# Altium PCB roach2.PcbDoc (part 26 of 39) (continued)
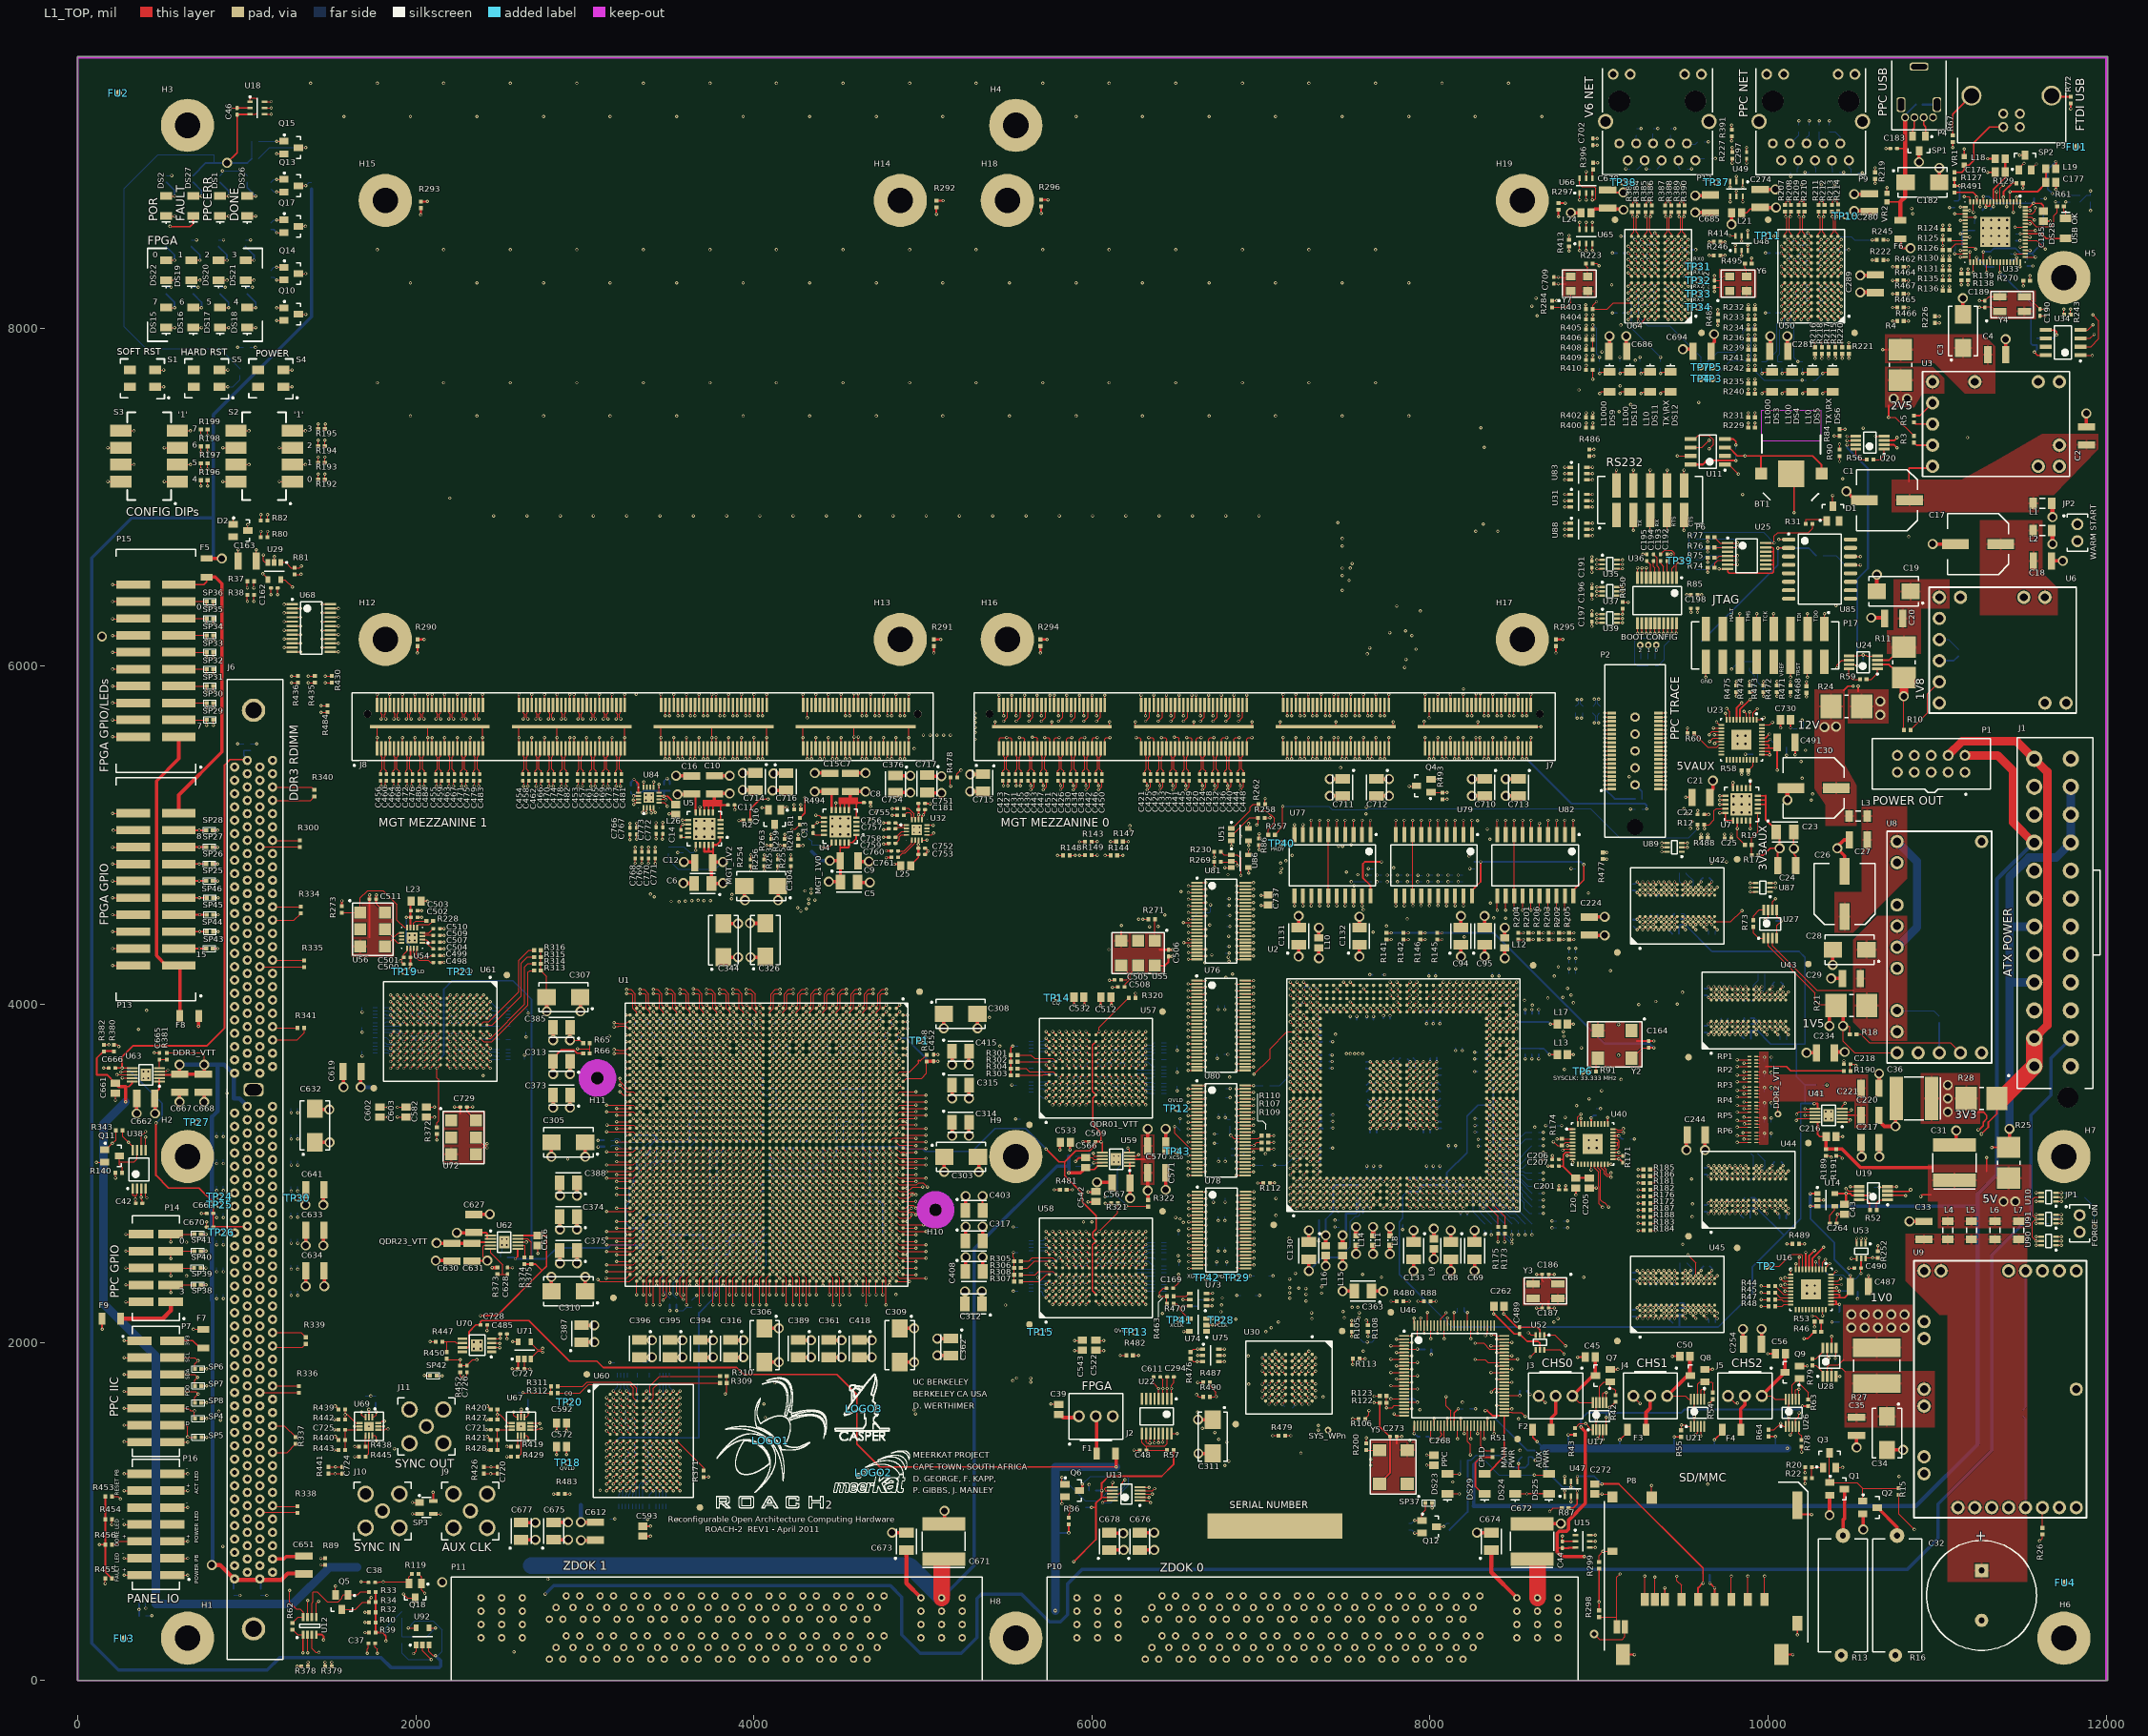
[diagram p0: L1_TOP view]
## Nets (pads, with @x,y where several pads share a name; then routed paths per layer and width w, separated by ;. In a path a pad name is that pad's centre, name@x,y a point inside that pad or via, vN(x,y) a via of type N, cw(c..) or ccw(c..) an arc to the next point about the centre after c; other vN are vias at no path point) (continued)
  L1_TOP w10: R491.1@11102.99,8803.31 11212.68,8803.31 11234.72,8781.26 v3(11234.72,8774.64) U33.14@11234.72,8751.14
NetR495_1: R495.1 Y6.3 | length 80.7
  L1_TOP w5: R495.1@9863.31,8382.99 9863.31,8354.23 9872.99,8344.54 Y6.3@9872.99,8306.3
NetTP2_1: TP2.1 U16.8 | length 326
  L1_TOP w5: TP2.1@9993,2450 10067,2450 10139,2522 10196,2522 10203.78,2514.22 U16.8@10203.78,2432.09
NetTP10_1: TP10.1 U50.M5 | length 329
  L1_TOP w5: v1(10236.22,8523.62) U50.M5@10255.91,8503.94
  L3_S w5: v1(10236.22,8523.62) 10271.62,8523.62 10320.99,8572.99 10404.99,8572.99 10457.99,8625.99 TP10.1@10457.99,8662.99
NetTP11_1: TP11.1 U50.M6 | length 255.8
  L1_TOP w5: v1(10196.85,8523.62) U50.M6@10216.54,8503.94
  L3_S w5: TP11.1@9997.99,8547.99 10020.99,8570.99 10149.48,8570.99 v1(10196.85,8523.62)
NetTP12_1: TP12.1 U57.P6 | length 454.5
  L1_TOP w5: U57.P6@6259.84,3622.05 v1(6279.53,3641.73)
  L3_S w5: v1(6279.53,3641.73) 6263.33,3625.53 6263.33,3516.91 6273.25,3506.99 6378.99,3506.99 TP12.1@6502.99,3382.99
NetTP13_1: TP13.1 U58.P6 | length 438.1
  L1_TOP w5: U58.P6@6259.84,2440.94 v1(6279.53,2460.63)
  L9_R w5: TP13.1@6253.99,2060.99 6256.36,2063.36 6256.36,2437.46 v1(6279.53,2460.63)
NetTP14_1: TP14.1 U57.A11 | length 254
  L1_TOP w5: v1(5728.35,3838.58) U57.A11@5748.03,3818.9
  L9_R w5: v1(5728.35,3838.58) 5728.35,3892.35 5792.99,3956.99 TP14.1@5792.99,4037.99
NetTP15_1: TP15.1 U58.A11 | length 692.2
  L1_TOP w5: v1(5728.35,2657.48) U58.A11@5748.03,2637.8
  L9_R w5: TP15.1@5693.99,2060.99 5693.99,2353.99 5712,2372 5712,2408 5744.55,2440.55 5744.55,2460.37 5767.98,2483.8 5774.43,2483.8 5783.92,2493.29 5783.92,2585.45 5767.45,2601.91 5761.01,2601.91 5751.52,2611.4 5751.52,2617.85 5728.35,2641.02 v1(5728.35,2657.48)
NetTP18_1: TP18.1 U60.P6 | length 572
  L1_TOP w5: U60.P6@3346.46,1181.1 v1(3366.14,1161.42)
  L3_S w5: TP18.1@2897.99,1287.99 2958.99,1287.99 2966.73,1295.73 3215.37,1295.73 3231.83,1279.27 3231.83,1272.82 3248.29,1256.36 3294.11,1256.36 3303.6,1246.87 3303.6,1223.96 v1(3366.14,1161.42)
NetTP19_1: TP19.1 U61.P6 | length 469.7
  L1_TOP w5: v1(1889.76,3818.9) U61.P6@1909.45,3838.58
  L5_S w5: v1(1889.76,3818.9) 1889.76,3848.22 1866.59,3871.39 1866.59,3943.72 1857.1,3953.21 1850.65,3953.21 1834.19,3969.67 1834.19,4094.19 TP19.1@1932.99,4192.99
NetTP20_1: TP20.1 U60.A11 | length 723
  L1_TOP w5: U60.A11@3543.31,1692.91 v1(3562.99,1712.6)
  L3_S w5: TP20.1@2907.99,1647.99 2910.06,1650.06 3523.36,1650.06 3539.82,1666.52 3539.82,1689.43 v1(3562.99,1712.6)
NetTP21_1: TP21.1 U61.A11 | length 786.6
  L1_TOP w5: U61.A11@2421.26,3641.73 v1(2440.95,3622.05)
  L5_S w5: TP21.1@2262.99,4192.99 2262.99,3694.99 2280.37,3677.62 2452.24,3677.62 2457.15,3672.71 2457.15,3654.71 2440.95,3638.51 v1(2440.95,3622.05)
NetTP31_1: TP31.1 U64.B2 | length 341.1
  L1_TOP w5: U64.B2@9468.5,8110.24 v1(9488.19,8090.55)
  L8_R w5: v1(9488.19,8090.55) 9506.99,8109.35 9506.99,8254.99 9586.61,8334.61 TP31.1@9586.61,8362.99
NetTP32_1: TP32.1 U64.D3 | length 257
  L1_TOP w5: U64.D3@9429.13,8188.98 v1(9448.82,8169.29)
  L5_S w3.8: v1(9448.82,8169.29) 9468.99,8189.46 9468.99,8264.99 9486.99,8282.99 TP32.1@9586.61,8282.99
NetTP33_1: TP33.1 U64.C3 | length 238.3
  L1_TOP w5: U64.C3@9429.13,8149.61 v1(9448.82,8129.92)
  L5_S w3.8: v1(9448.82,8129.92) 9465.75,8112.99 9544.99,8112.99 9554.99,8122.99 9554.99,8171.37 TP33.1@9586.61,8202.99
NetTP34_1: TP34.1 U64.B3 | length 211.2
  L1_TOP w5: U64.B3@9429.13,8110.24 v1(9448.82,8090.55)
  L5_S w3.8: v1(9448.82,8090.55) 9470.38,8068.99 9556.99,8068.99 9586.61,8098.61 TP34.1@9586.61,8122.99
NetTP37_1: TP37.1 U64.M6 | length 676.9
  L1_TOP w5: v1(9291.34,8523.62) U64.M6@9311.02,8503.94
  L9_R w5: v1(9291.34,8523.62) 9309.97,8504.99 9354.99,8504.99 9410.99,8560.99 9546.99,8560.99 9692.99,8706.99 TP37.1@9692.99,8862.99
NetTP38_1: TP38.1 U64.M5 | length 445
  L1_TOP w5: v1(9330.71,8523.62) U64.M5@9350.39,8503.94
  L9_R w5: TP38.1@9142.99,8862.99 9250.99,8754.99 9250.99,8603.34 v1(9330.71,8523.62)
NetTP39_1: TP39.1 U36.1 | length 107.4
  L1_TOP w5: U36.1@9458.15,6523.83 9458.15,6603.15 TP39.1@9477.99,6622.99
NetU2_B29: U2.B29 U88.3 | length 4630.3
  L1_TOP w5: v1(7213.07,3935.43) U2.B29@7232.76,3915.75 ; v2(8798.1,6772.6) U88.3@8830.79,6772.6
  L3_S w3.94: v7(7539,6608) 8633.5,6608 v2(8798.1,6772.6)
  L12_S w3.94: v1(7213.07,3935.43) 7197.4,3951.1 7197.4,4244.6 7183,4259 7183,4576.14 7182.32,4576.82 7182.32,4756.32 7189,4763 7189,4856 7200.66,4867.66 7200.66,4894.34 7187,4908 7187,5051.51 7182.32,5056.19 7182.32,5073.84 7187,5078.52 7187,5099 7194,5106 7194,5242 7005,5431 7005,6214 7142,6351 7142,6529 7283,6670 7477,6670 v7(7539,6608)
NetU2_C27: U2.C27 U83.3 | length 5136.8
  L1_TOP w5: v1(7252.44,3856.69) U2.C27@7272.13,3837.01 ; v2(8798.1,7102.6) U83.3@8830.79,7102.6
  L3_S w3.94: v7(7528,6581) 8671,6581 8828,6738 8828,6856 8757,6927 8757,7061.5 v2(8798.1,7102.6)
  L12_S w3.94: v1(7252.44,3856.69) 7252.44,3873.91 7228.97,3897.37 7228.97,3935.77 7228.74,3936 7228.74,4223.74 7259,4254 7259,4303 7210,4352 7210,4462 7223,4475 7240,4475 7258.49,4493.49 7258.49,4539.38 7215.12,4582.75 7215.12,4590.88 7202,4604 7202,4629 7208.6,4635.6 7208.6,4904.22 7202,4910.82 7202,4950 7213.66,4961.66 7213.66,5137.34 7206,5145 7206,5255 7028,5433 7028,6206 7152,6330 7152,6451 7332,6631 7478,6631 v7(7528,6581)
NetU2_D27: U2.D27 U31.3 | length 4792.8
  L1_TOP w5: v1(7291.81,3856.69) U2.D27@7311.5,3837.01 ; v2(8798.1,6942.6) U31.3@8830.79,6942.6
  L3_S w3.94: v7(7521,6509) 8662,6509 8849,6696 8849,6891.69 v2(8798.1,6942.6)
  L12_S w3.94: v1(7291.81,3856.69) 7291.81,3873.91 7276.14,3889.57 7276.14,4134.14 7293,4151 7293,4561 7278,4576 7278,4760 7260,4778 7260,5048 7268,5056 7268,5071 7253,5086 7253,5267 7071,5449 7071,6192 7227,6348 7227,6400 7321,6494 7506,6494 v7(7521,6509)
NetU10_4: U10.4 U91.3 | length 300.2
  L1_TOP w5: v2(11585.26,2885.59) U10.4@11616.69,2885.59 ; U91.3@11703.31,2755.59 v2(11734.74,2755.59)
  L3_S w5: v2(11585.26,2885.59) 11623.41,2885.59 11654,2855 11654,2797 11695.41,2755.59 v2(11734.74,2755.59)
NetU11_1: U11.1 U85.1 | length 692.3
  L1_TOP w5: U11.1@9745.36,7194 9768.6,7194 v2(9824.8,7137.8) ; v2(10062.99,6749.8) U85.1@10121.57,6749.8
  L3_S w3.8: v2(9824.8,7137.8) 9900.53,7137.8 10062.99,6975.33 v2(10062.99,6749.8)
NetU36_11: U36.11 U36.14 | length 251.2
  L1_TOP w5: v2(9227.83,6195.46) U36.11@9227.83,6254.15 ; v2(9304.61,6195.46) U36.14@9304.61,6254.15
  L14_S w5: v2(9227.83,6195.46) 9227.83,6209.4 9253.43,6234.99 9292.61,6234.99 9304.61,6222.99 v2(9304.61,6195.46)
NetU40_24: U40.24 U40.27 | length 133.1
  L1_TOP w5: U40.27@9082.09,3202.52 9107.48,3202.52 9120,3190 9120,3154 9109.46,3143.46 U40.24@9082.09,3143.46 U40.24@9093.84,3143.46
NetU40_25: U40.25 U40.26 | length 72.2
  L1_TOP w5: U40.25@9082.09,3163.15 9107.15,3163.15 9110,3166 9110,3180 9107.17,3182.83 U40.26@9082.09,3182.83
NetU70_3: U70.3 U71.5 | length 147.1
  L1_TOP w5: U70.3@2463.99,1994.99 v2@2495.62,1994.99 ; v2@2502.82,1994.99 v2@2503.82,1993.99 ; v2(2572.96,2005.17) 2573.96,2004.17 U71.5@2605.59,2004.17
  L14_S w3.8: v2(2496.62,1993.99) 2561.78,1993.99 v2(2572.96,2005.17)
NetU90_1: U90.1 U91.4 | length 332.4
  L1_TOP w5: v2(11585.26,2755.59) U91.4@11616.69,2755.59 ; U90.1@11703.31,2574.41 v2(11734.74,2574.41)
  L3_S w5: v2(11585.26,2755.59) 11650,2690.85 11650,2614 11689.59,2574.41 v2(11734.74,2574.41)
PB_CTRL: Q18.1 R119.2 R226.2 | length 18925.2
  L1_TOP w5: R119.2@2016.69,630 2034.4,612.28 Q18.1@2034.4,573.31 2034.4,534.6 v7(2053,516) ; R226.2@10986.19,8031.31 v2(11012.77,8031.31)
  L3_S w3.94: v7(2053,516) 2053,439 2412,80 6246.63,80 6264.3,62.32 8225.32,62.32 8351,188 8351,640 8216,775 7933,775 7364,1344 v7(7236,1344)
  L9_R w3.94: v7(7236,1344) 7236,1464 7298,1526 7691,1526 7854,1689 8083.05,1689 8088.5,1694.45 8114.45,1694.45 8325,1905 8387,1905 8420,1872 8526,1872 8539,1885 9643,1885 9772,2014 9772,2169.85 10008.15,2406 10008.62,2405.53 10468.53,2405.53 10522,2459 10894.88,2459 10904.21,2468.33 10984.33,2468.33 11222,2706 11222,3148 11435,3361 11435,6342 11055,6722 11055,7989.09 v2(11012.77,8031.31)
PB_IRQN: R89.1 U2.W34 U12.5 | length 15350.7
  L1_TOP w5: U12.5@1411.38,374.57 1411.38,455.38 v2(1424.99,468.99) ; v3(1438.33,683.51) 1438.53,683.31 R89.1@1462.99,683.31 ; U2.W34@7902.05,4112.6 v1(7921.73,4132.28)
  L8_R w3.8: v2(835,1592) 835,2076.98 674.99,2236.99 674.99,2378.71 667.36,2386.34 667.36,2599.27 674.99,2606.9 674.99,2803.61 894.08,3022.7 894.08,3071 880.19,3084.88 880.19,3191.1 886.08,3196.99 886.08,3333.91 854.19,3365.79 854.19,4704.19 867.68,4717.68 867.68,5414.3 898.99,5445.61 898.99,5764.99 1134,6000 1568,6000 1656,5912 5316,5912 5336,5892 7749.8,5892 v2(7850.79,5992.99) ; v2(858.99,792.99) 894.73,757.26 894.73,744.09 926.15,712.67 942.05,712.67 969.6,685.12 1036.39,685.12 1063.94,712.67 1091.66,712.67 1120.81,683.51 v3(1438.33,683.51) 1396.99,642.17 1396.99,496.99 v2(1424.99,468.99)
  L12_S w3.8: 805,1511 805,1506 ; v2(835,1592) 835,1558 805,1528 805,1506 ; v2(858.99,792.99) 846.99,804.99 846.99,1108.99 805,1150.98 805,1506
  L14_S w3.8: v2(7850.79,5992.99) 7850.79,5965.19 7850.59,5964.99 7850.59,5446.88 7935.39,5362.08 7935.39,5097.89 7932.39,5094.89 7932.39,5081.96 7935.39,5078.96 7935.39,4779.13 7944.59,4769.93 7944.59,4718.59 7876.99,4650.99 7876.99,4530.99 7921.73,4486.25 v1(7921.73,4132.28)
PB_KILLN: R62.1 R149.2 U12.8 | length 11922.8
  L1_TOP w5: v2(1252.99,532.99) 1252.99,462.99 1293.98,422 1317,422 1334.61,404.39 U12.8@1334.61,374.57 1304.88,374.57 R62.1@1270,339.68 ; v2@5926.99,4881.99 R149.2@5959.31,4881.99
  L8_R w3.8: v2(844.99,1538.99) 842.99,1540.99 858,1556 858,2089.98 704.99,2242.99 704.99,2802.99 912.14,3010.14 914.33,3007.96 942.05,3007.96 961.65,3027.56 961.65,3055.28 942.05,3074.88 923.11,3074.88 893.88,3104.11 893.88,3337.14 866.99,3364.02 866.99,4682.99 880.99,4696.99 880.99,5402.99 894.73,5416.73 894.73,5417.48 922.99,5445.74 922.99,5760.99 1128.99,5966.99 1553.01,5966.99 1624,5896 5272,5896 5380,5788 5451.98,5788 5526.99,5712.99 5526.99,5281.19 v2(5926.59,4881.59)
  L12_S w3.8: v2(844.99,1538.99) 844.99,1136.99 876.99,1104.99 876.99,662.99 900.99,638.99 938.99,638.99 978.99,598.99 978.99,594.99 1040.99,532.99 v2(1252.99,532.99)
PCTRL_EN: R30.2 R139.2 U91.6 | length 6606.1
  L1_TOP w5: R139.2@11182.68,8322.99 v2(11182.68,8349.57) ; v2(11585.26,2704.41) U91.6@11616.69,2704.41
  L9_R w3.8: v2(11182.68,8349.57) 11182.68,8321.31 11228.99,8274.99 11266.99,8274.99 11305.19,8236.79 11382.85,8236.79 11850.99,7768.65 11850.99,7638.99 11804.99,7592.99 11804.99,7386.65 11894.79,7296.85 11894.79,5774.79 11696.79,5576.79 11696.79,3376.21 11870.27,3202.73 11870.27,2921.27 11771,2822 11771,2692 11738,2659 11630.67,2659 v2(11585.26,2704.41)
  L16_BOT w5: v2(11585.26,2704.41) 11655.91,2704.41 R30.2@11660,2700.31
PCTRL_ONN: R138.2 U91.1 | length 6207.9
  L1_TOP w5: v2(11182.68,8256.41) R138.2@11182.68,8282.99 ; U91.1@11703.31,2704.41 v2(11734.74,2704.41)
  L9_R w3.8: v2(11182.68,8256.41) 11184.43,8258.16 11250.16,8258.16 11295.33,8212.99 11372.99,8212.99 11828.99,7756.99 11828.99,7650.65 11781.19,7602.85 11781.19,7376.79 11877,7280.98 11877,5790.66 11672.99,5586.65 11672.99,3340.99 11587,3255 11587,2954 11662,2879 11662,2774 11731.59,2704.41 v2(11734.74,2704.41)
POR_FORCEN: C163.2 D2.3 R80.1 R82.1 U29.3 U46.34 | length 14916.6
  L1_TOP w5: D2.3@1006.3,6802.99 v2(1006.3,6837.38) ; C163.2@1056.14,6622.99 v2(1056.14,6688.87) ; v2(1098.99,6658.99) 1098.99,6622.99 1107.81,6614.17 U29.3@1125.59,6614.17 ; R80.1@1122.68,6762.99 v2(1122.68,6797.38) ; R82.1@1122.68,6862.99 v2(1122.68,6897.38) ; v2(8046.99,1430.68) 8069.19,1452.88 8069.19,1457.14 8064.25,1462.08 U46.34@8064.25,1506.73
  L8_R w5: v2(1098.99,6658.99) 1086.02,6658.99 v2(1056.14,6688.87) 1122.68,6755.41 v2(1122.68,6797.38) ; v2(1122.68,6897.38) 1138.99,6881.06 1138.99,6813.69 v2(1122.68,6797.38) ; 8010.99,1376.99 8028.99,1376.99 ; v2(8046.99,1430.68) 8046.99,1394.99 8028.99,1376.99 ; v2(1122.68,6797.38) 1082.68,6837.38 v2(1006.3,6837.38) 975.91,6806.99 662.99,6806.99 580.99,6724.99 580.99,6270.69 318.99,6008.69 318.99,3387.47 304.32,3372.79 304.32,3335.49 318.99,3320.82 318.99,2906.04 340.66,2884.38 373.9,2884.38 391.96,2866.33 391.96,2849.12 425.99,2815.08 425.99,2215.69 448.99,2192.69 448.99,1466.99 530.98,1385 700.98,1385 898.65,1187.33 958.51,1187.33 988.88,1156.96 1024.32,1156.96 1063.69,1117.59 1091.9,1117.59 1120.65,1146.34 1438.22,1146.34 1452.88,1161 1942,1161 1952,1151 2132,1151 2150,1169 2479,1169 2623,1025 2977.68,1025 2995.51,1007.17 3006.82,1007.17 3014,999.99 3310.23,999.99 3315.74,1005.51 3426.87,1005.51 3432.38,999.99 3777.66,999.99 4196.47,1418.8 5427.14,1418.8 5480.95,1364.99 6228.4,1364.99 6242.6,1379.19 6256.02,1379.19 6270.22,1364.99 6410.95,1364.99 6545.95,1229.99 7770.03,1229.99 7917.03,1376.99 8028.99,1376.99
POWER_LEDN: P16.9 Q13.3 R451.1 | length 9640.8
  L1_TOP w5: P16.9@560.43,1022.99 v2(650.95,1022.99) ; Q13.3@1306.3,8842.99 v2(1348.56,8842.99)
  L3_S w3.8: v2(650.95,1022.99) 418.99,1022.99 169.39,1272.59 169.39,3767.45 180.99,3779.05 180.99,6216.99 130.99,6266.99 130.99,7424.99 252.99,7546.99 252.99,7684.99 356.99,7788.99 530.99,7788.99 696.99,7622.99 944.99,7622.99 1014.99,7692.99 1266.99,7692.99 1412.99,7838.99 1412.99,8626.99 1348.56,8691.42 v2(1348.56,8842.99)
  L16_BOT w5: v2(1348.56,8842.99) 1368.25,8862.68 R451.1@1382.99,8862.68
POWER_PBN: JP2.2 P16.1 Q18.3 R32.1 S4.1 U12.2 | length 25359.5
  L1_TOP w5: P16.1@560.43,622.99 v2(650.95,622.99) ; S4.1@1217.99,7652.99 v2(1267.93,7652.99) ; U12.2@1360.2,271.42 1360.2,163.79 v2(1360.99,162.99) ; v3(1698.65,403.2) 1698.85,402.99 R32.1@1723.31,402.99 ; v7(1927,511) 1951.31,486.69 Q18.3@1997,486.69
  L5_S w3.94: v2(1267.93,7652.99) 1490,7875.06 1490,9333 1526,9369 8649,9369 8726,9446 10569,9446 10609,9486 11833,9486 11984,9335 11984,6894 JP2.2@11830,6740
  L8_R w3.8: v2(650.95,622.99) 468.99,622.99 95.2,996.78 95.2,3071.49 100.99,3077.27 100.99,6404.99 360.99,6664.99 360.99,7450.99 492.99,7582.99 1197.93,7582.99 v2(1267.93,7652.99) ; v2(1360.99,162.99) 1360.99,296.99 1398.99,334.99 1582.99,334.99 1651.2,403.2 v3(1698.65,403.2)
  L9_R w3.8: v2(650.95,622.99) 874.95,398.99 1124.99,398.99 v2(1360.99,162.99) ; v3(1698.65,403.2) 1819.2,403.2 v7(1927,511)
PPC_GPIO0: P14.5 SP41.2 U2.C6 | length 10040.6
  L1_TOP w5: v7(551,2595) 550.39,2595.61 P14.5@550.39,2640 SP41.2@690,2640 ; v1(7252.44,2990.55) U2.C6@7272.13,3010.24
  L8_R w3.8: v7(551,2595) 513,2557 513,2477.39 574.21,2416.19 574.21,2273.18 563,2261.97 563,1516.64 575.25,1504.39 758.63,1504.39 812.99,1450.03 812.99,1424.99 883.57,1354.41 942.05,1354.41 970.62,1382.99 996.99,1382.99 998.02,1381.96 1016.85,1381.96 1047.82,1350.99 1098.99,1350.99 1134.94,1315.04 1166.46,1315.04 1175.8,1324.39 1617.78,1324.39 1632.18,1338.8 1645.11,1338.8 1659.51,1324.39 2417.3,1324.39 2433.3,1340.39 2511.44,1340.39 2517.64,1346.6 2559.65,1346.6 2565.86,1340.39 2773.25,1340.39 3030.45,1083.19 3630.34,1083.19 3707.59,1160.45 3707.59,1224.63 3982.16,1499.19 6160.16,1499.19 6230.67,1569.7 6399.94,1569.7 6493.41,1476.23 6510.95,1476.23 6520.09,1467.09 6520.09,1449.55 6559.82,1409.82 6727.82,1409.82 6728.99,1410.99 v2(6796.99,1410.99)
  L9_R w3.8: v2(6796.99,1410.99) 6806.99,1410.99 6826.99,1430.99 6826.99,2166.99 6954.59,2294.59 7167.39,2294.59 v2(7168.99,2292.99)
  L14_S w3.8: 7178.99,2292.99 7184.99,2298.99 7184.99,2346.99 7226.99,2388.99 7226.99,2783.88 7228.67,2785.56 7228.67,2966.78 v1(7252.44,2990.55)
PPC_GPIO1: P14.4 SP40.2 U2.A4 | length 9749.7
  L1_TOP w5: v7@550.39,2495.61 P14.4@550.39,2540 SP40.2@690,2540 ; v1(7173.7,2911.81) U2.A4@7193.39,2931.5
  L8_R w3.8: v7(551,2495) 587.59,2458.41 587.59,1562.41 629.81,1520.19 795.79,1520.19 822.39,1493.59 822.39,1451.59 864.53,1409.46 902.45,1409.46 914.33,1421.33 961.58,1421.33 989.13,1393.79 1016.85,1393.79 1044.4,1421.33 1111.19,1421.33 1138.74,1393.79 1184.2,1393.79 1237.79,1340.19 1611.24,1340.19 1617.64,1346.6 1659.65,1346.6 1666.06,1340.19 2417.7,1340.19 2433.7,1356.19 2779.79,1356.19 3036.99,1098.99 3623.79,1098.99 3691.79,1166.99 3691.79,1231.17 3975.61,1514.99 6153.61,1514.99 6224.12,1585.5 6406.48,1585.5 6499.95,1492.03 6506.18,1492.03 6535.89,1462.32 6535.89,1456.09 6566.36,1425.62 6721.28,1425.62 6722.65,1426.99 v2(6750.99,1426.99)
  L9_R w3.8: v2(6750.99,1426.99) 6806.99,1426.99 6808.99,1428.99 6808.99,2174.99 6956.99,2322.99 v2(7168.99,2322.99)
  L14_S w3.8: v2(7168.99,2322.99) 7168.99,2344.99 7184.99,2360.99 7184.99,2384.99 7161.39,2408.59 7161.39,2437.45 7174.99,2451.05 7174.99,2498.99 7189.3,2513.3 7189.3,2896.21 v1(7173.7,2911.81)
PPC_GPIO2: P14.3 SP39.2 U2.M3 | length 10683.7
  L1_TOP w5: v7@550.4,2395.6 P14.3@550.39,2440 SP39.2@688.99,2439.99 ; v1(7606.77,2872.44) U2.M3@7626.46,2892.13
  L8_R w3.8: v7(551.01,2394.99) 551.01,2336.99 566.41,2321.59 566.41,2276.41 533,2243 533,1501.95 562.16,1472.79 679.19,1472.79 748.99,1402.99 774.99,1402.99 874.99,1302.99 887.45,1302.99 894.73,1295.72 894.73,1295.27 914.33,1275.67 942.05,1275.67 969.6,1303.22 1025.36,1303.22 1061.59,1266.99 1076.99,1266.99 1077.87,1267.87 1107.17,1267.87 1138.74,1236.3 1166.46,1236.3 1222.94,1292.79 2430.39,1292.79 2446.39,1308.79 2530.99,1308.79 2532.18,1307.6 2545.11,1307.6 2546.3,1308.79 2760.16,1308.79 3017.36,1051.59 3643.43,1051.59 3739.19,1147.36 3739.19,1189.13 3746.91,1196.84 3746.91,1219.25 3995.25,1467.59 6173.25,1467.59 6243.76,1538.1 6386.85,1538.1 6546.73,1378.22 6563.36,1378.22 6584.14,1398.99 6663.12,1398.99 6689.12,1372.99 6836.99,1372.99 6856.99,1392.99 7376.94,1392.99 7378.54,1391.39 7566.59,1391.39 v2(7648.99,1308.99)
  L14_S w3.8: v1(7606.77,2872.44) 7622.37,2856.84 7622.37,2783.61 7638.99,2766.99 7688.99,2766.99 7712.99,2742.99 7712.99,2740.99 7722.99,2730.99 7722.99,2460.99 7768.99,2414.99 7768.99,2280.99 7788.99,2260.99 7788.99,2029.06 7785.92,2025.99 7785.92,1773.77 7802.59,1757.1 7802.59,1352.59 7758.99,1308.99 v2(7648.99,1308.99)
PPC_GPIO3: P14.2 SP38.2 U2.P4 | length 10668.2
  L1_TOP w5: v7@550.4,2295.6 P14.2@550.39,2340 SP38.2@689.99,2339.99 ; v1(7685.51,2911.81) U2.P4@7705.2,2931.5
  L8_R w3.8: v7(551.01,2294.99) 501,2244.98 501,1511.61 555.61,1456.99 678.99,1456.99 746.99,1388.99 754.99,1388.99 880.13,1263.85 942.05,1263.85 969.6,1236.3 1033.02,1236.3 1044.34,1224.99 1044.34,1216.53 1063.94,1196.93 1111.19,1196.93 1138.74,1224.48 1165.67,1224.48 1218.18,1276.99 1516.93,1276.99 1518.53,1278.59 1531.45,1278.59 1545.05,1265 2424.94,1265 2452.93,1292.99 2753.61,1292.99 3010.81,1035.79 3649.97,1035.79 3754.99,1140.81 3754.99,1204.99 4001.79,1451.79 6179.79,1451.79 6250.3,1522.3 6380.3,1522.3 6540.19,1362.42 6576.42,1362.42 6592.42,1378.42 6672.67,1378.42 6698.09,1352.99 6846.99,1352.99 6874.99,1380.99 7540.99,1380.99 v2(7648.99,1272.99)
  L14_S w3.8: v2(7648.99,1272.99) 7648.99,1270.99 7760.99,1270.99 7817.12,1327.12 7817.12,2025.99 7810.99,2032.12 7810.99,2700.99 7740.99,2770.99 7740.99,2808.99 7712.99,2836.99 7712.99,2884.33 v1(7685.51,2911.81)
PPC_GPIO4: Q12.1 R448.2 SP37.2 U2.C5 | length 3456.4
  L1_TOP w5: v1(7252.44,2951.18) U2.C5@7272.13,2970.87 ; v2(7909.87,946.97) Q12.1@7952.13,946.97 7952.13,988.13 7972.99,1008.99 SP37.2@7972.99,1050.99
  L9_R w3.8: v2(7170.99,2260.99) 7010.99,2260.99 6858.99,2108.99 6858.99,1446.99 6840.99,1428.99 6840.99,1402.99 6830.99,1392.99 6830.99,1154.99 7039.02,946.97 v2(7909.87,946.97)
  L14_S w3.8: v2(7170.99,2260.99) 7174.99,2260.99 7195.19,2281.19 7195.19,2345.19 7236.84,2386.84 7236.84,2935.58 v1(7252.44,2951.18)
  L16_BOT w5: R448.2@7875.43,929.25 7892.15,929.25 v2(7909.87,946.97)
PPC_SCL: P7.10 R40.1 R124.2 R378.2 SP4.1 U11.6 U13.4 U15.4 U16.15 U17.4 U18.4 U21.4 U22.14 U23.15 U26.4 U38.6 U87.4 | length 32536.2
  L1_TOP w5: U38.6@375.79,3136.18 375.79,3221.79 v2(400.99,3246.99) ; P7.10@560.43,1610 655,1610 668,1597 v7@689,1597 ; v7(691,1595) 691,1552.62 SP4.1@693.62,1550 ; U18.4@1106.3,9265.59 v2@1144.39,9265.59 ; R378.2@1362.68,82.99 1362.68,107.45 v3(1362.88,107.65) ; v3(1698.65,343.2) 1698.85,342.99 R40.1@1723.31,342.99 ; U13.4@6283.7,1122.68 6358.68,1122.68 v2(6370.99,1134.99) ; v2@6420.49,1411.4 U22.14@6420.49,1460.63 ; U15.4@8946.3,785.59 v2(8977.73,785.59) ; v2(9022.39,1426.53) 9022.68,1426.83 U17.4@9022.68,1482.28 ; U11.6@9540.64,7294 9608,7294 v2(9650.99,7336.99) ; v2(9602.39,1446.53) 9602.68,1446.83 U21.4@9602.68,1502.28 ; v7(9654,5556) 9672.83,5574.83 U23.15@9723.9,5574.83 ; v3(9894,4716.59) U87.4@9925.69,4716.59 ; v2(10074,2338) 10089.17,2322.83 U16.15@10133.9,2322.83 ; U26.4@10162.68,1502.28 10162.68,1542.68 10182.99,1562.99 10182.99,1582.28 v2(10183.69,1582.98) ; R124.2@11033.31,8582.99 v2(11033.31,8609.57)
  L3_S w3.8: v2(643.59,2592.8) v2@645.59,2592.8 ; v3(9524.99,5126.99) 9600.99,5202.99 9600.99,5502.99 v7(9654,5556) ; v2(9602.39,1446.53) 9924.53,1446.53 9956.99,1478.99 10128.99,1478.99 10183.69,1533.69 v2(10183.69,1582.98) 10183.69,1681.98 10033.39,1832.28 10033.39,2297.39 v2(10074,2338)
  L5_S w3.8: v2(8532.99,1360.99) 8956.84,1360.99 v2(9022.39,1426.53)
  L8_R w3.8: v3(1362.88,107.65) 1380.99,125.76 1380.99,164.99 1406.99,190.99 1546.44,190.99 v3(1698.65,343.2) 1877.13,343.2 1887.13,333.19 2050.85,333.19 2366.66,649 2988.66,649 3154.45,814.79 3371.94,814.79 3372.67,814.06 3875.72,814.06 4286.45,1224.79 5326.85,1224.79 5416.45,1135.19 5906.45,1135.19 5962.45,1079.19 6138.85,1079.19 6206.85,1147.19 6313.19,1147.19 6324.99,1158.99 6346.99,1158.99 v2(6370.99,1134.99) ; v2(6652.99,1490.99) 7224.99,1490.99 7267.99,1447.99 7559.99,1447.99 7604.99,1402.99 7862.99,1402.99 v2(7880.99,1420.99)
  L9_R w3.8: v2(400.99,3246.99) 136.99,3246.99 76.99,3306.99 76.99,8800.99 237.19,8961.19 774.85,8961.19 892.85,9079.19 1035.19,9079.19 1144.99,9188.99 v2(1144.99,9266.19) ; v2(6370.99,1134.99) 6370.99,1338.99 6316.99,1392.99 6316.99,1424.99 6324.99,1432.99 6400.99,1432.99 6418.54,1415.45 v2(6418.54,1409.45) 6571.45,1409.45 6641.99,1479.99 ; 6642.99,1480.99 6641.99,1479.99 ; v2(6652.99,1490.99) 6641.99,1479.99 ; v2(7880.99,1420.99) 7988.99,1420.99 8024.99,1384.99 8470.99,1384.99 8494.99,1360.99 v2(8532.99,1360.99) ; v2(9650.99,7336.99) 9726.99,7260.99 9726.99,5597.61 9704.21,5574.83 9672.83,5574.83 v7(9654,5556) ; v2(10848.99,8708.99) 10933.89,8708.99 v2(11033.31,8609.57)
  L9_R w3.94: v3(9524.99,5126.99) 9524.99,5072.01 9535,5062 9545.99,5062 9562.99,5045 9562.99,4987.01 9742,4808 9802.59,4808 v3(9894,4716.59)
  L12_S w3.8: v2(643.59,2592.8) 643.59,2512.39 660.99,2494.99 660.99,1625.01 v7(691,1595) 693,1593 693,1511 688.99,1506.99 688.99,914.99 842.99,760.99 842.99,716.02 860.79,698.22 860.79,523.19 983.98,400 1641.84,400 v3(1698.65,343.2) ; v2(8977.73,785.59) 9032.31,840.16 9032.31,1168.98 9022.39,1178.9 v2(9022.39,1426.53) 9073.45,1426.53 9142.99,1356.99 9534.99,1356.99 9602.39,1424.39 v2(9602.39,1446.53) ; v2(9650.99,7336.99) 9650.99,7480.99 9838.99,7668.99 10000.99,7668.99 10068.34,7736.34 10068.34,7738.75 10077.47,7747.88 10077.47,7789.47 10282.99,7994.99 10282.99,8594.99 10318.99,8630.99 10736.99,8630.99 10814.99,8708.99 v2(10848.99,8708.99)
  L14_S w3.8: v2(400.99,3246.99) 416.99,3246.99 426.99,3236.99 426.99,3014.99 526.99,2914.99 526.99,2709.4 v2(643.59,2592.8) ; v3(9524.99,5126.99) 9525.05,5126.99 9564.59,5087.45 9564.59,5074.53 9562.99,5072.93 9562.99,5000.99 9612.99,4950.99 9720.99,4950.99 9894.99,4776.99 10176.99,4776.99 10216.99,4736.99 10216.99,3772.85 10192.56,3748.42 10192.56,3347.36 10216.99,3322.93 10216.99,2642.99 10107,2533 10107,2412 10130,2389 10130,2333.83 10119,2322.83 10089.17,2322.83 v2(10074,2338)
PPC_SDA: P7.12 R39.1 R125.2 R126.2 R379.2 SP5.1 U11.5 U13.3 U15.6 U16.13 U17.3 U18.6 U21.3 U22.13 U23.13 U26.3 U38.5 U89.4 | length 32741.2
  L1_TOP w5: v2(400.99,3214.99) 401.38,3214.61 U38.5@401.38,3136.18 ; P7.12@560.43,1510 640,1510 651,1499 v7(651,1440) 652.08,1438.92 SP5.1@693.62,1438.92 ; U18.6@1106.3,9340.39 1144.39,9340.39 v2(1144.99,9340.99) ; R379.2@1502.68,82.99 v3@1502.68,107.45 ; v3@1698.85,282.99 R39.1@1723.31,282.99 ; U13.3@6302.99,1102.99 v2@6354.99,1102.99 ; v2@6395.49,1406.49 U22.13@6395.49,1460.63 ; U15.6@8946.3,860.39 v2(8977.73,860.39) ; v2(8990.99,1432.99) 9002.99,1444.99 U17.3@9002.99,1482.28 ; v3(9371.28,4953.59) U89.4@9402.98,4953.59 ; U11.5@9540.64,7344 9564,7344 9586,7366 9650,7366 9676,7340 9676,7312 v2(9650.99,7286.99) ; v2(9570.99,1452.99) 9582.99,1464.99 U21.3@9582.99,1502.28 ; v7(9652,5595) 9652,5597 9669.2,5614.2 U23.13@9723.9,5614.2 ; v2(10074,2377.37) 10089.17,2362.2 U16.13@10133.9,2362.2 ; v2(10130.99,1452.99) 10142.99,1464.99 U26.3@10142.99,1502.28 ; R126.2@11032.99,8462.99 v2(11032.99,8489.57) 11033.31,8489.89 R125.2@11033.31,8522.99 v2(11033.31,8549.57)
  L3_S w3.8: v2(643.59,2392.8) v2@645.59,2392.8 ; v3(9540.99,5040.99) 9508.99,5072.99 9508.99,5138.99 9550.99,5180.99 9550.99,5492.99 9652,5594 v7(9652,5595) ; v2(9570.99,1452.99) 9570.99,1440.99 9612.99,1398.99 10076.99,1398.99 v2(10130.99,1452.99) 10176.99,1452.99 10246.99,1522.99 10246.99,2104.99 10175,2176.98 10175,2321.1 10133.9,2362.2 10089.17,2362.2 v2(10074,2377.37)
  L8_R w3.8: v3(1698.65,283.2) 2034.51,283.2 2384.32,633 3006.32,633 3164.31,790.99 3362.09,790.99 3362.81,790.26 3885.58,790.26 4296.31,1200.99 5316.99,1200.99 5406.59,1111.39 5896.59,1111.39 5952.59,1055.39 6045.33,1055.39 6056.53,1066.59 6069.45,1066.59 6080.65,1055.39 6148.71,1055.39 6216.71,1123.39 6288.99,1123.39 ; 6292.99,1123.39 6288.99,1123.39 ; v2(6356.99,1102.99) 6336.59,1123.39 6288.99,1123.39
  L9_R w3.8: v2(400.99,3214.99) 376.79,3239.19 111.13,3239.19 53.19,3297.13 53.19,8810.85 227.33,8984.99 764.99,8984.99 882.99,9102.99 1038.99,9102.99 1116.99,9180.99 1116.99,9312.99 v2(1144.99,9340.99) ; v3(1502.88,107.65) 1526.22,130.99 1720.99,130.99 1744.99,154.99 1744.99,196.99 1698.65,243.34 v3(1698.65,283.2) ; v2(6356.99,1102.99) 6374.99,1102.99 6394.99,1122.99 v2(6394.99,1405.99) 6399.93,1405.99 6412.07,1393.85 6603.85,1393.85 6676.99,1466.99 v2(6726.99,1466.99) ; v2(9650.99,7286.99) 9676.99,7260.99 9676.99,6476.99 9710.99,6442.99 9710.99,5785.99 9652,5727 v7(9652,5595) ; v2(10856.99,8676.99) 10912.99,8676.99 10924.99,8664.99 10924.99,8657.89 v2(11033.31,8549.57)
  L9_R w3.94: v3(9371.28,4953.59) 9458.69,5040.99 v3(9540.99,5040.99)
  L12_S w3.8: v2(643.59,2392.8) 643.59,1562.38 651,1554.97 v7(651,1440) 671,1420 671,1265.1 635.35,1229.45 635.35,922.38 778.28,779.45 778.28,769.71 852.99,694.99 852.99,500.99 965.98,388 1142,388 1181.01,348.99 1416.99,348.99 1506.99,258.99 1506.99,198.99 1614.44,198.99 v3(1698.65,283.2) ; v2(6726.99,1466.99) 6733.05,1466.99 6781.39,1418.65 6781.39,1404.53 6912.93,1272.99 7616.99,1272.99 7658.99,1230.99 8160.01,1230.99 8166.66,1237.65 8379.59,1237.65 8386.24,1230.99 8642.99,1230.99 8736.99,1324.99 8880.99,1324.99 ; v2(8977.73,860.39) 8977.73,1140.25 8880.99,1236.99 8880.99,1324.99 ; v2(9570.99,1452.99) 9560.99,1462.99 9020.99,1462.99 v2(8990.99,1432.99) 8882.99,1324.99 8880.99,1324.99 ; v2(9650.99,7286.99) 9684.63,7286.99 9714.99,7317.35 9714.99,7500.99 9820.99,7606.99 9922.99,7606.99 9964.99,7648.99 10022.71,7648.99 10099.54,7725.82 10099.54,7729.54 10140.99,7770.99 10186.99,7770.99 10230.99,7814.99 10230.99,7922.99 10294.99,7986.99 10294.99,8574.99 10314.99,8594.99 10780.99,8594.99 10828.99,8642.99 10828.99,8648.99 v2(10856.99,8676.99)
  L14_S w3.8: v2(400.99,3214.99) 400.99,2956.99 480.99,2876.99 480.99,2760.99 418.99,2698.99 282.99,2698.99 254.99,2670.99 254.99,2433.01 275,2413 623.39,2413 v2(643.59,2392.8) ; v3(9540.99,5040.99) 9540.99,5002.99 9604.99,4938.99 9706.99,4938.99 9890.99,4754.99 10172.99,4754.99 10198.99,4728.99 10198.99,3770.99 10184.76,3756.76 10184.76,3344.13 10204.99,3323.9 10204.99,2650.99 10074,2520 v2(10074,2377.37)
PPC_SYSERR: Q10.1 R92.2 U2.AD32 | length 10642.1
  L1_TOP w5: v2(1177.42,8120.39) Q10.1@1219.68,8120.39 ; U2.AD32@8098.9,4033.86 v1(8118.58,4053.54)
  L8_R w3.8: v2(946.59,7887.39) 988.19,7928.99 1332.83,7928.99 1350.83,7946.99 ; v2(1177.42,8120.39) 1350.83,7946.99 ; v2(7916.99,6100.99) 7768.99,6100.99 7532.99,6336.99 2504.36,6336.99 1557.79,7283.56 1557.79,7866.19 1476.99,7946.99 1350.83,7946.99
  L14_S w3.8: v2(7916.99,6100.99) 7929.59,6088.39 7929.59,5479.6 8014.39,5394.8 8014.39,5116.43 8021.39,5109.43 8021.39,5067.42 8014.39,5060.42 8014.39,4781.37 8023.59,4772.17 8023.59,4754.67 8031.39,4746.87 8031.39,4682.59 8062.99,4650.99 8062.99,4560.99 ; 8062.99,4588.99 8062.99,4560.99 ; v1(8118.58,4053.54) 8118.58,4070.85 8134.18,4086.45 8134.18,4515.8 8100.99,4548.99 8074.99,4548.99 8062.99,4560.99
  L16_BOT w5: v2(946.59,7887.39) 946.99,7886.99 R92.2@979.31,7886.99